# Altium PCB PCB2.PcbDoc (part 1 of 4) (continued)
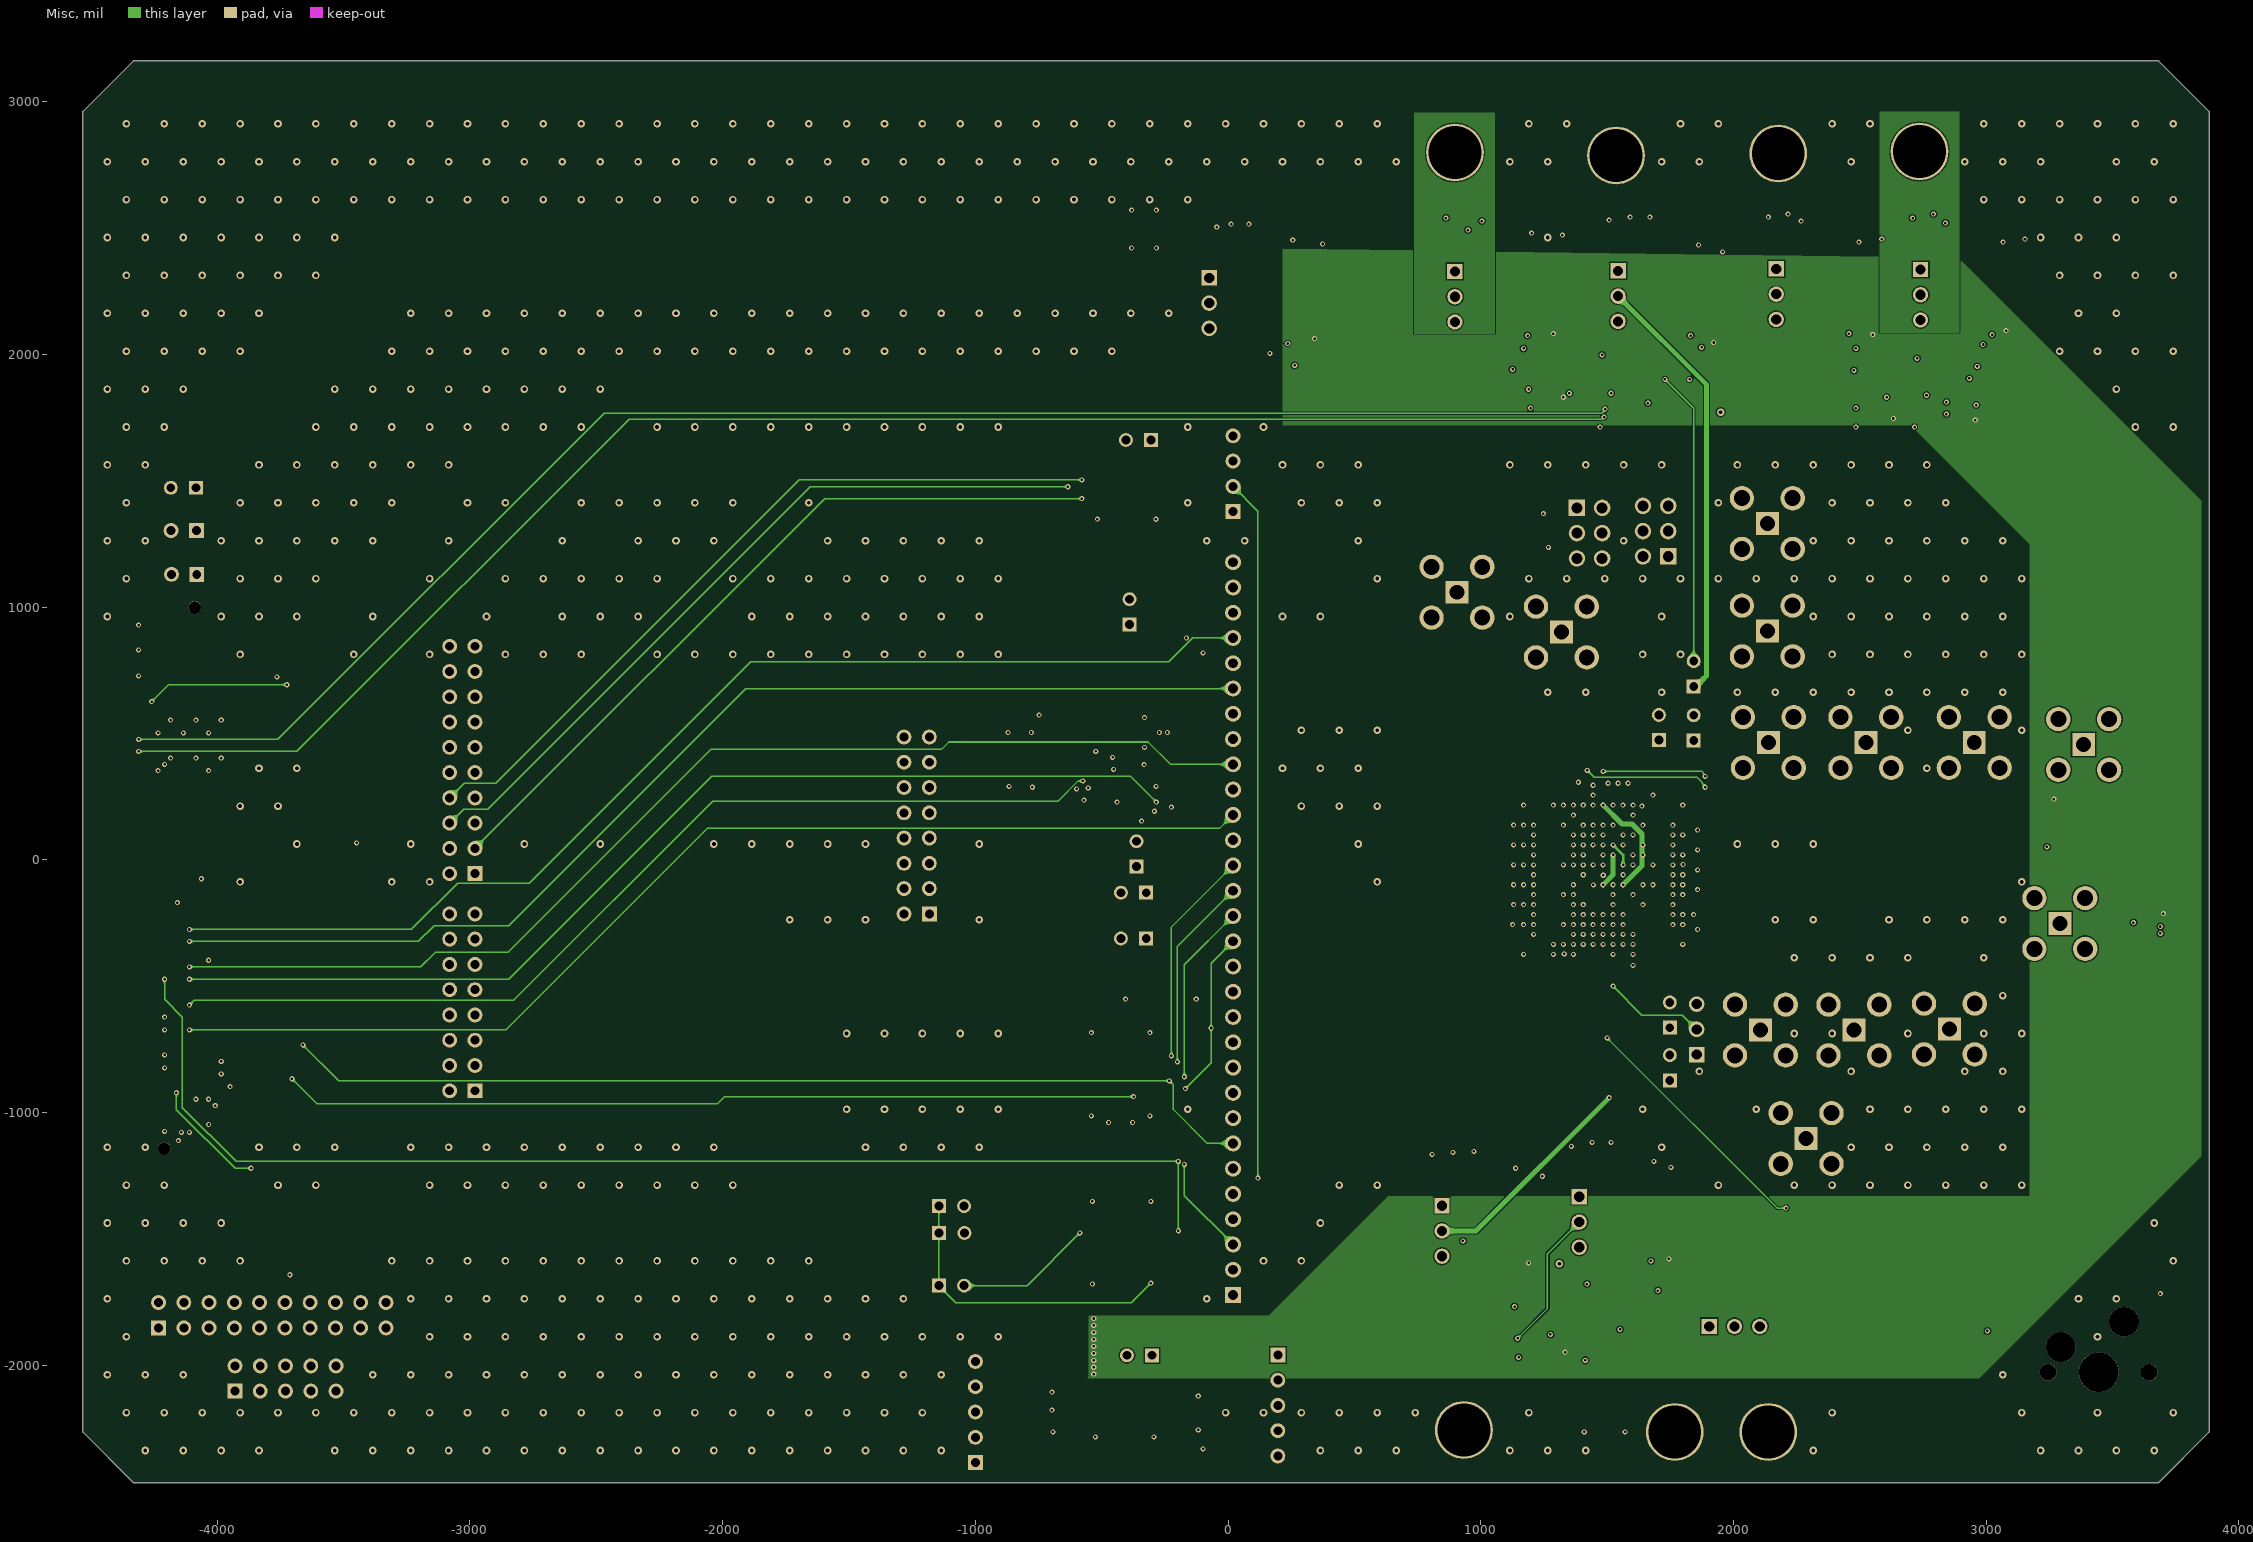
[diagram p3: Misc]
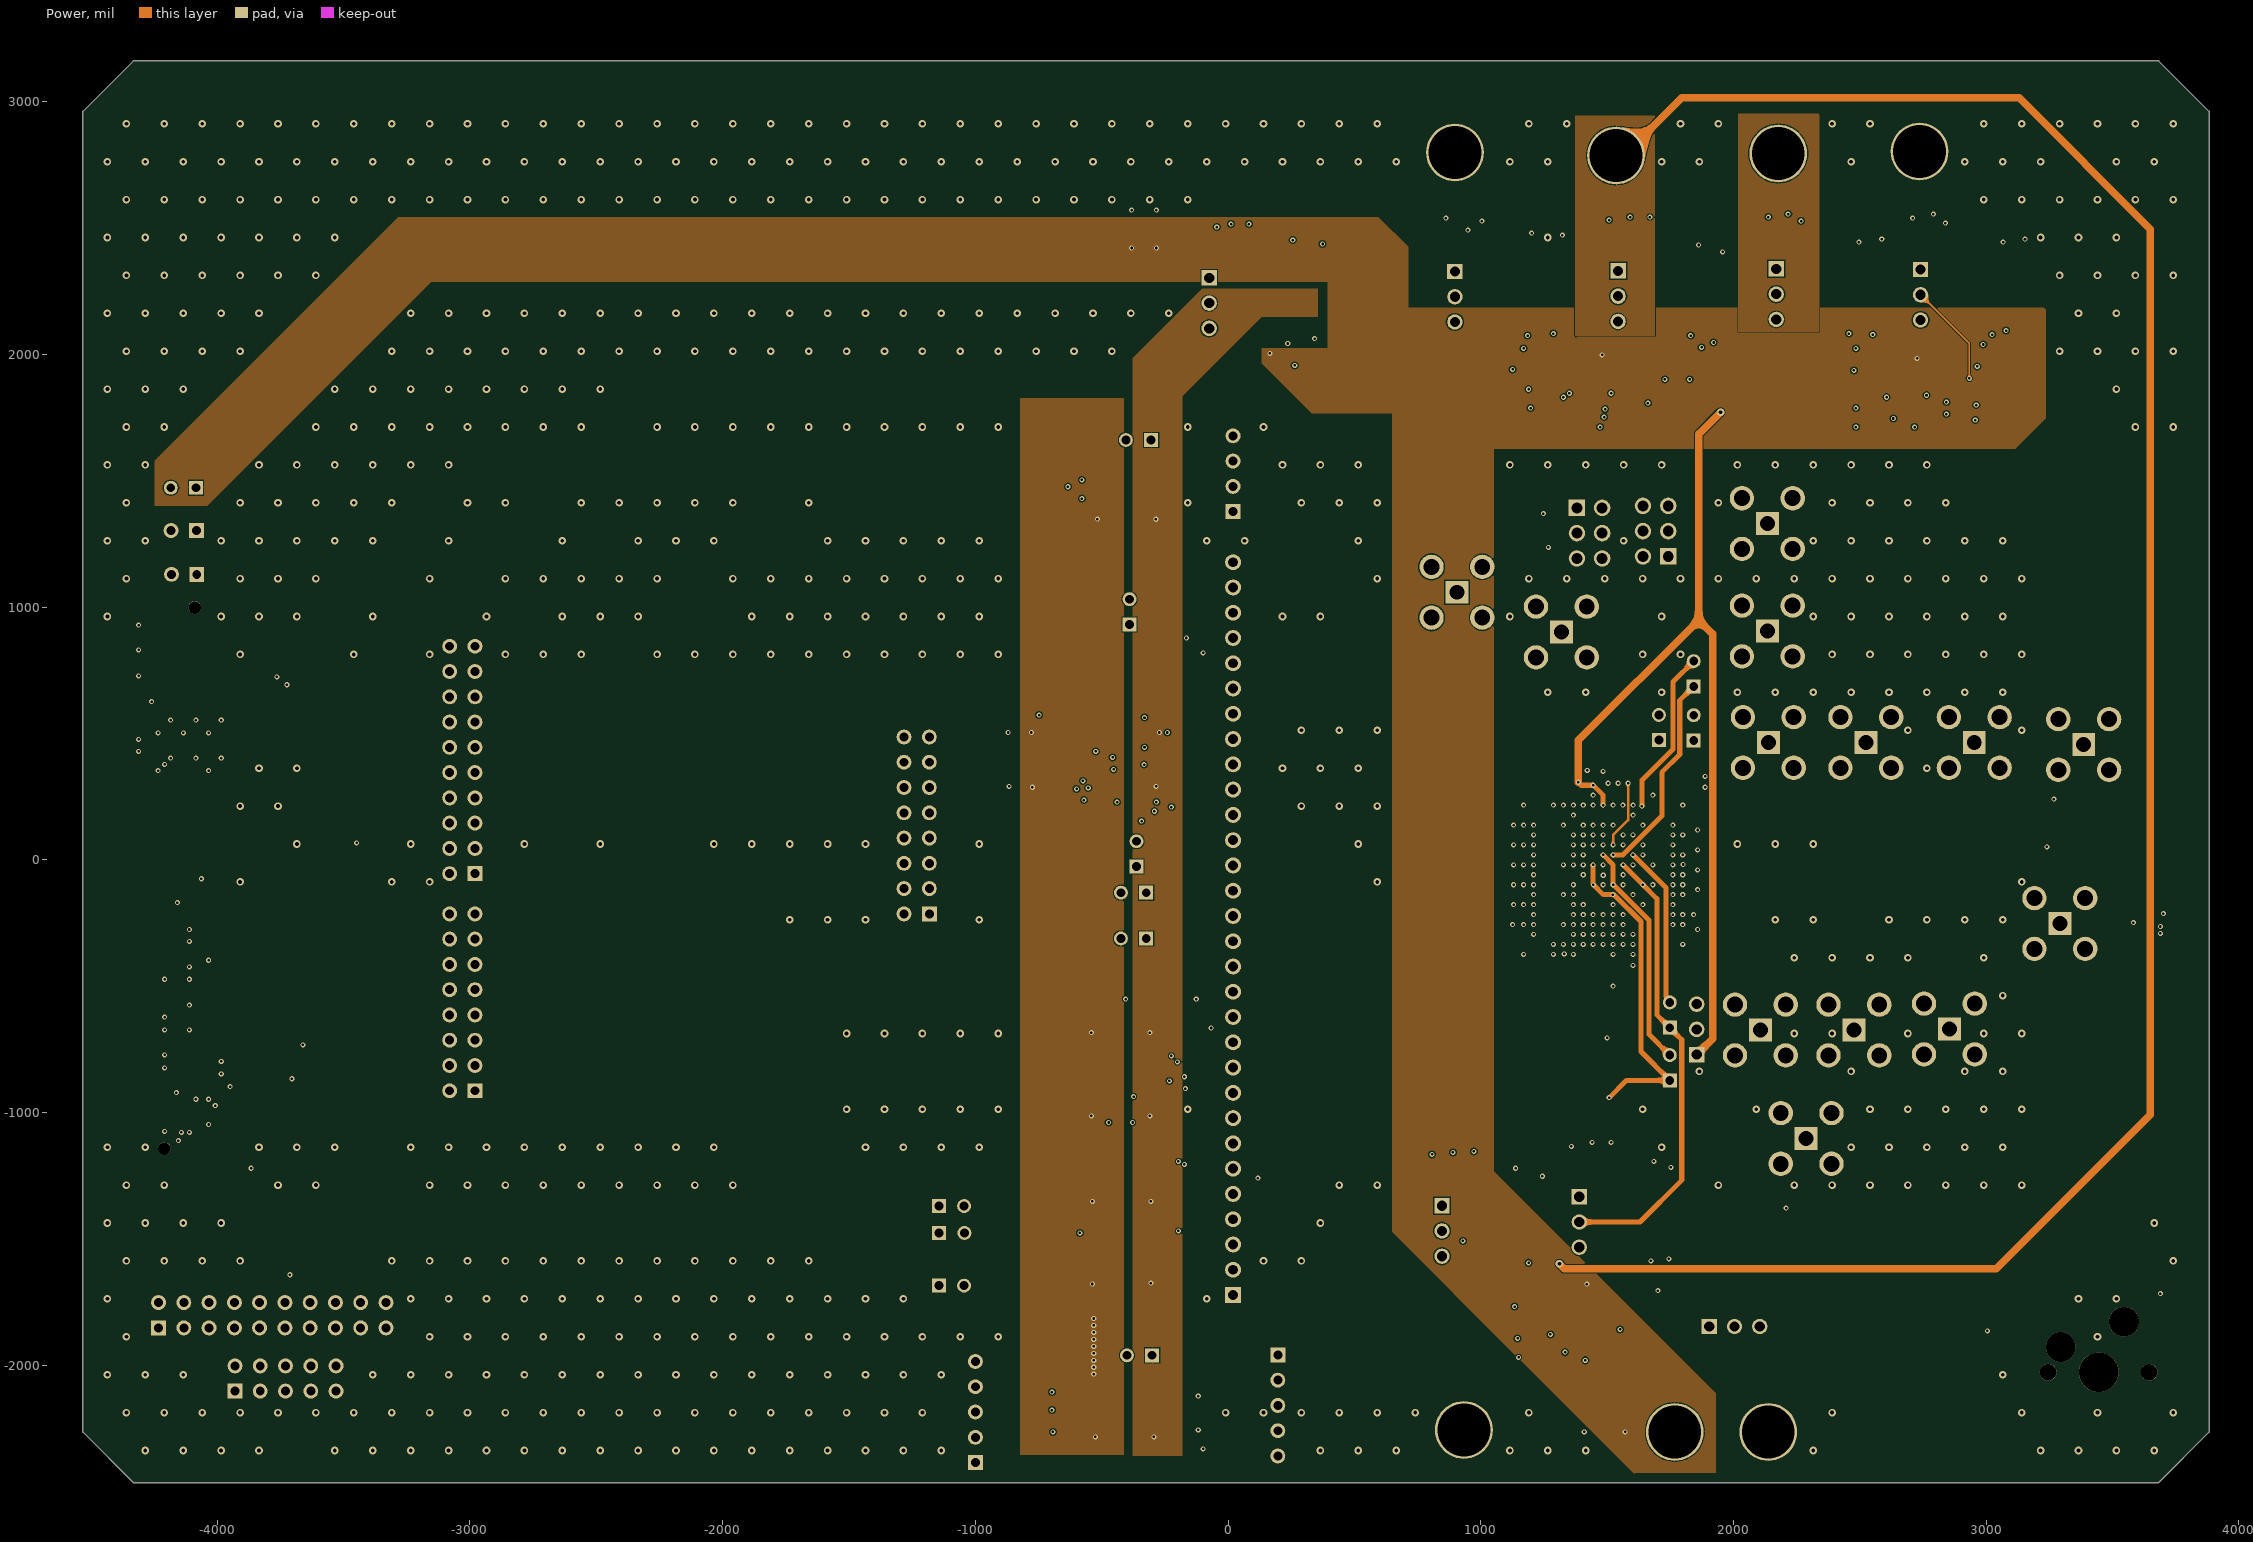
[diagram p4: Power]
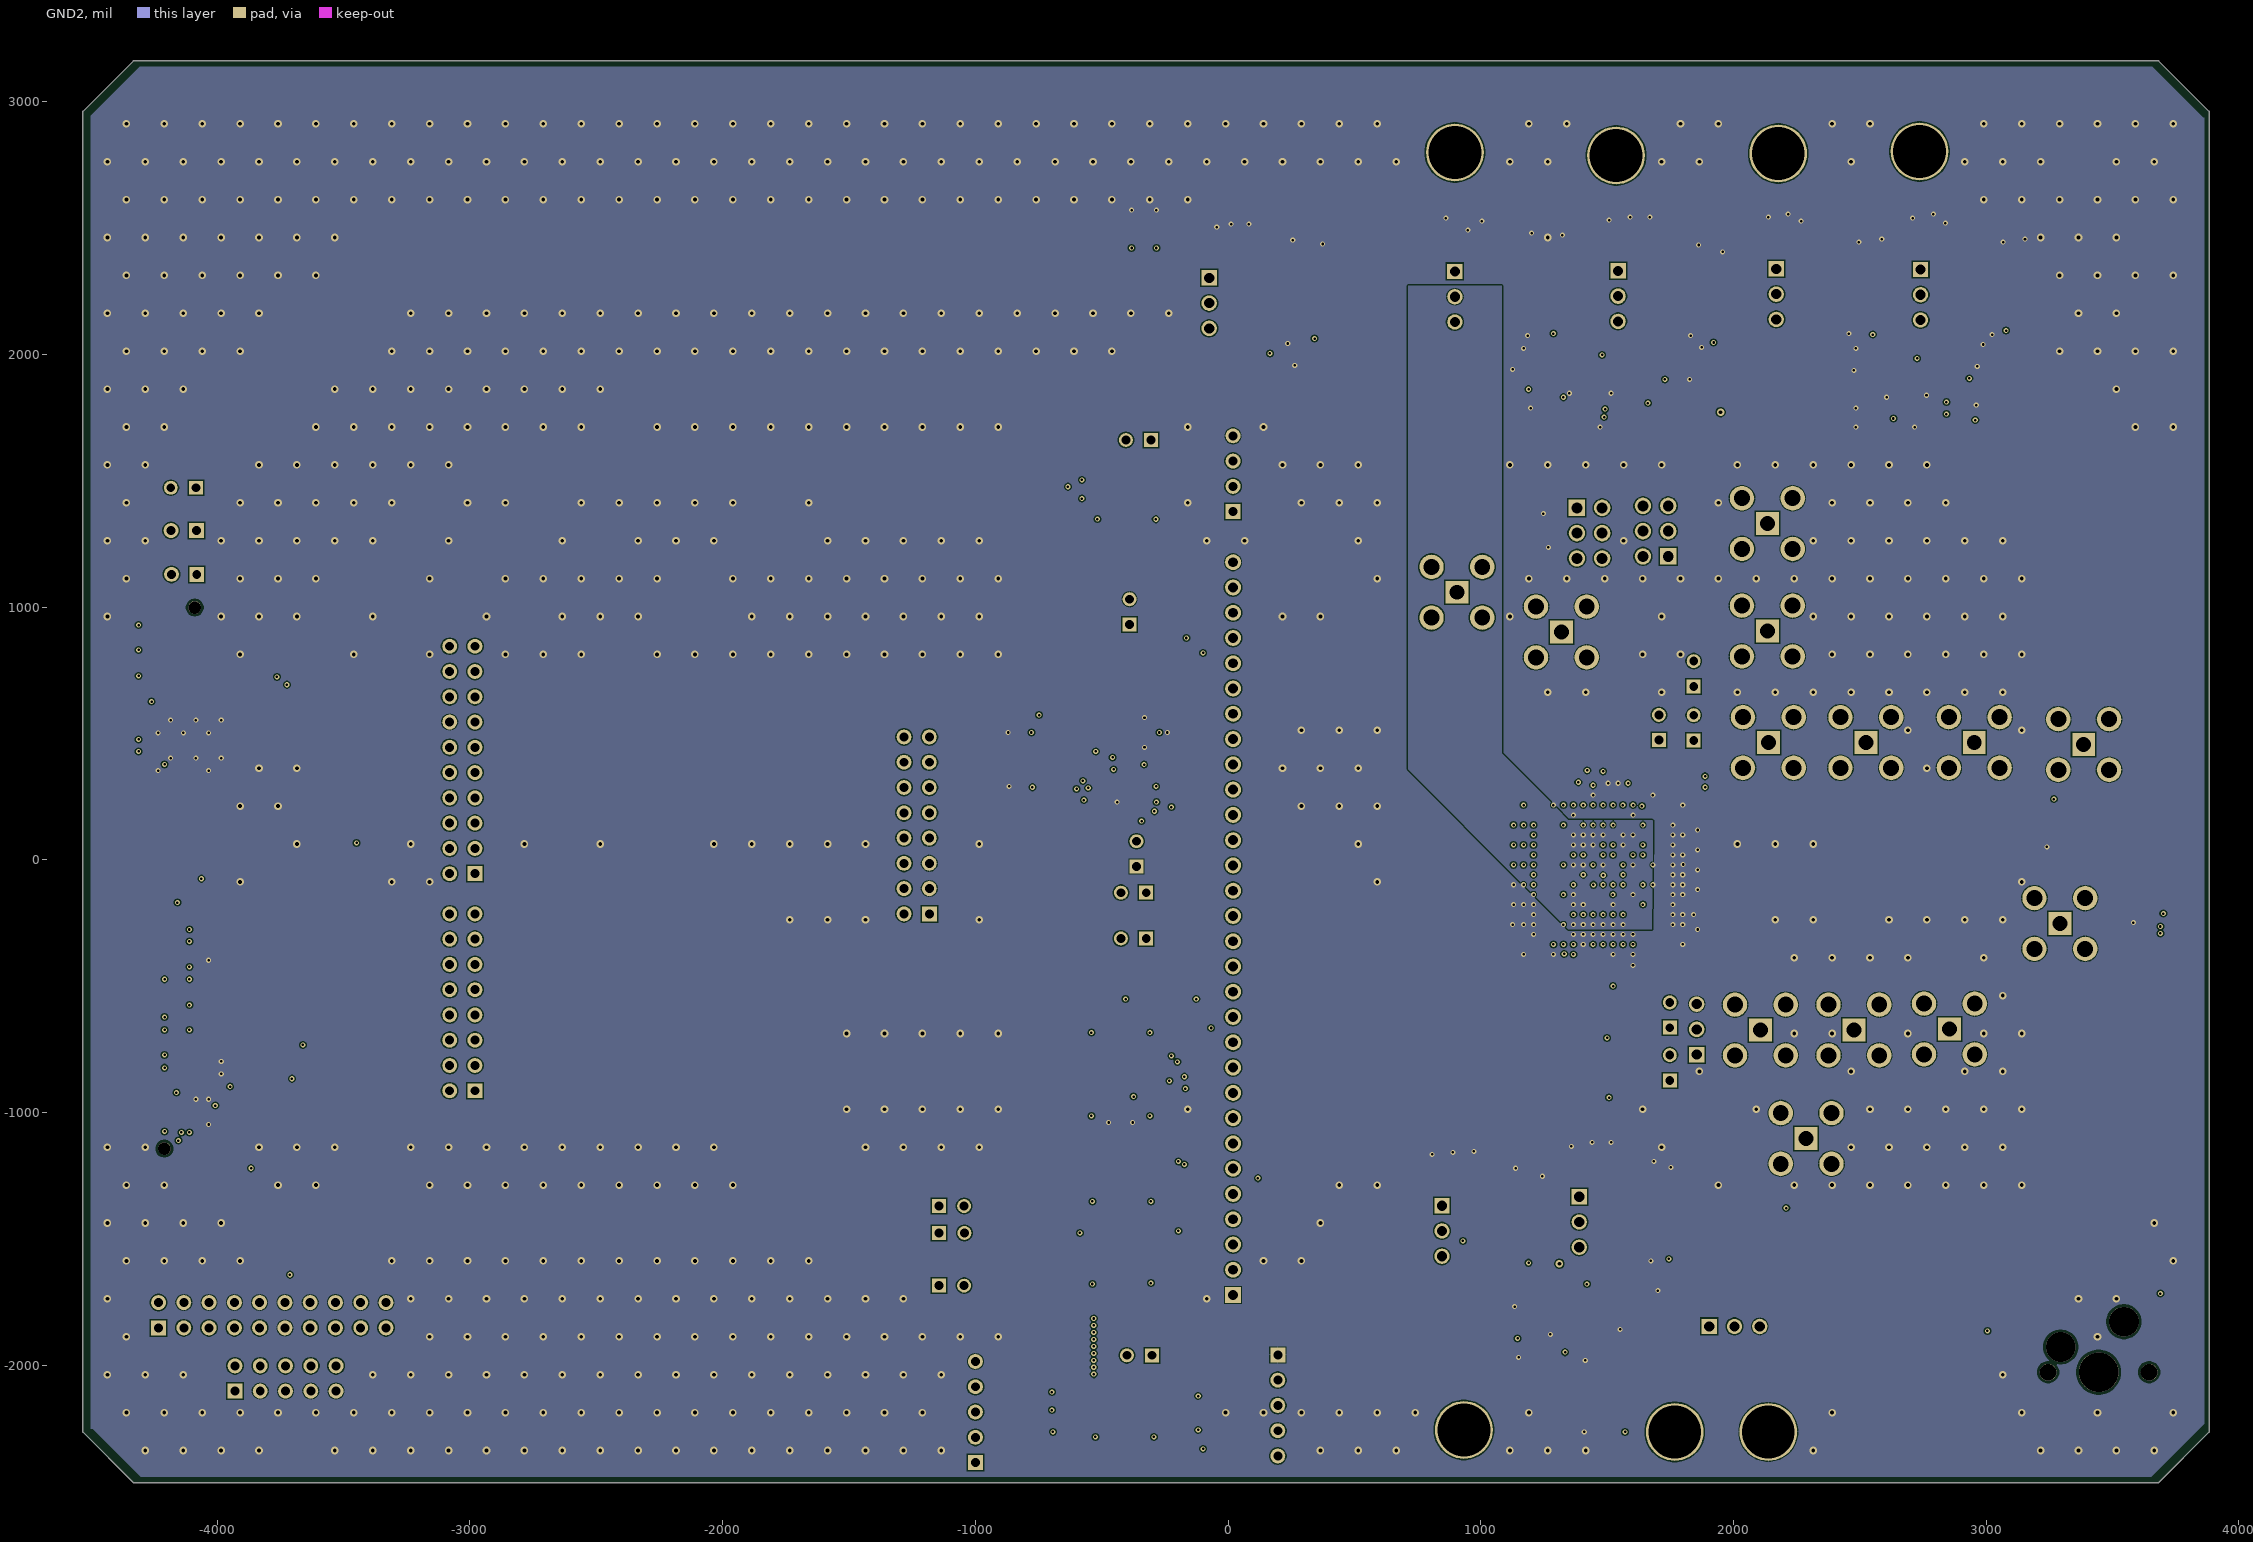
[diagram p5: GND2]

## Layer stack, top to bottom
Top Solder: solder mask 0.4, Solder Resist, Dk 3.5
Top Layer: signal copper 1.378
Dielectric 2: prepreg 3.913, PP-015, Dk 4.3
GND1: signal copper 0.689
Dielectric 4: core 21.654, Core-032, Dk 4.7
Misc: signal copper 0.689
Dielectric 1: prepreg 4.284, PP-016, Dk 4.4
Power: signal copper 0.689
Dielectric 5: core 21.654, Core-032, Dk 4.7
GND2: signal copper 0.689
Dielectric 3: prepreg 3.913, PP-015, Dk 4.3
Bottom Layer: signal copper 1.378
Bottom Solder: solder mask 0.4, Solder Resist, Dk 3.5

## Board outline
-4531.5,-2264.57 -4531.5,2961.42 -4331.5,3161.42 3681.89,3161.42 3881.89,2961.42 3881.89,-2264.57 3681.89,-2464.57 -4331.5,-2464.57

## Design rules (kind name [scope] priority, off if disabled: settings)
BoardOutlineClearance [All] p1: gap=7.87 ignorepadtopadclearanceinfootprint=FALSE
Clearance [All] p1: gap=5 ignorepadtopadclearanceinfootprint=FALSE except(3.5: Arc-Text Track-Text SMDPad-Text THPad-Text Fill-Text Poly-Text Region-Text Text-Text; 9.84: Arc-Hole Track-Hole SMDPad-Hole THPad-Hole Via-Hole Fill-Hole Poly-Hole Region-Hole Text-Hole)
ComponentClearance [All] p1: gap=3.5 collisioncheckmode=3 verticalgap=3.5 showdistances=TRUE
DiffPairsRouting [All] p1: maxlimit=3.5 minlimit=3.5 mostfreqgap=3.5 toplayer_minwidth=3.5 toplayer_maxwidth=71497.94 toplayer_prefwidth=3.5 midlayer1_minwidth=3.5 midlayer1_maxwidth=71497.94 midlayer1_prefwidth=3.5 midlayer2_minwidth=3.5 midlayer2_maxwidth=71497.94 midlayer2_prefwidth=3.5 midlayer3_minwidth=3.5 midlayer3_maxwidth=71497.94 midlayer3_prefwidth=3.5 midlayer4_minwidth=3.5 midlayer4_maxwidth=71497.94 midlayer4_prefwidth=3.5 bottomlayer_minwidth=3.5 bottomlayer_maxwidth=71497.94 bottomlayer_prefwidth=3.5 maxuncoupledlength=500
Height [All] p1: minheight=0 maxheight=71497.94 prefheight=500
HoleSize [All] p1: absolutevalues=TRUE maxlimit=248.03 minlimit=7.87 maxpercent=80.000 minpercent=20.000
HoleToHoleClearance [All] p1: gap=9.84 allowstackedmicrovias=FALSE
MinimumAnnularRing [All] p1: minimumring=3
MinimumSolderMaskSliver [All] p1: minsoldermaskwidth=0
PlaneClearance [All] p1: clearance=3.5
PlaneConnect PlaneConnectPowerPads [InPadClass('PowerPads')] p1: planeconnectstyle=Direct reliefexpansion=20 reliefentries=4 reliefconductorwidth=10 reliefairgap=10
PlaneConnect [All] p2: pad.planeconnectstyle=Relief pad.reliefexpansion=11.81 pad.reliefentries=4 pad.reliefconductorwidth=3.5 pad.reliefairgap=3.5 via.planeconnectstyle=Direct via.reliefexpansion=11.81 via.reliefentries=4 via.reliefconductorwidth=5 via.reliefairgap=5
PolygonConnect PolygonConnectPowerPads [All vs (InPadClass('PowerPads'))] p1: connectstyle=Direct reliefconductorwidth=10 reliefentries=4 polygonreliefangle="90 Angle" airgapwidth=10
PolygonConnect [All] p2: thpad.connectstyle=Relief thpad.reliefconductorwidth=3.5 thpad.reliefentries=4 thpad.polygonreliefangle="90 Angle" thpad.airgapwidth=3.5 smdpad.connectstyle=Relief smdpad.reliefconductorwidth=3.5 smdpad.reliefentries=4 smdpad.polygonreliefangle="90 Angle" smdpad.airgapwidth=3.5 via.connectstyle=Direct via.reliefconductorwidth=5 via.reliefentries=4 via.polygonreliefangle="90 Angle" via.airgapwidth=5
RoutingVias [All] p1: holewidth=10 width=20 viastyle="Through Hole" minholewidth=7.87 minwidth=17.72 maxholewidth=248.03 maxwidth=257.87
SilkToSilkClearance [All] p1: silktosilkclearance=0
SilkToSolderMaskClearance [IsPad] p1: minsilkscreentomaskgap=3.5 clearancetoexposedcopper=TRUE
SolderMaskExpansion [All] p1: expansion=2.95 istentingtop=FALSE
Width [InNet('MUXED_ANALOG_IN_N')    OR                InNet('MUXED_ANALOG_IN_P')    OR InNet('MUXED_ANALOG_OUT_N')   OR InNet('MUXED_ANALOG_OUT_P')   OR InNet('MUXED_CLK_OUT')        OR  InNet('RF_TX_DUT')            OR InNet('RF_RX_DUT')            OR InNet('clock_bypass_0')       OR InNet('clock_bypass_1')] p1: maxlimit=5.63 minlimit=4.04 preferedwidth=4.22 toplayer_minwidth=5.63 toplayer_prefwidth=5.63 midlayer1_maxwidth=4.04 midlayer1_prefwidth=4.04 midlayer2_minwidth=4.22 midlayer2_maxwidth=4.22 midlayer3_minwidth=4.22 midlayer3_maxwidth=4.22 midlayer4_maxwidth=4.04 midlayer4_prefwidth=4.04 bottomlayer_minwidth=5.63 bottomlayer_prefwidth=5.63 impedanceprofiledriven=TRUE impedanceprofileid={00CD8F49-DDCC-4A41-BDE0-2011B90D15A1} impedanceprofilevalue=50.000000 minimp=50.000000 maximp=50.000000 favimp=50.000000
Width Width_1 [All] p2: maxlimit=30 minlimit=5 preferedwidth=6
20 further rules are at their usual default settings.

## Classes and differential pairs
component class "RF Stuff": *1 C76 C80 C81 C82 J8 J9 J10 J11 J12 J13 L1 L2 L3 R56 R57 R58 R59 R60 R61 R62 R63 R64 R65 R66 R67 R68 U12
component class "Power Supply": C1 C2 C3 C4 C5 C6 C14 C16 C17 C18 C19 C21 C23 C24 C25 C26 C28 C30 C31 C32 C33 C35 C39 C40 C42 C46 C47 C51 C53 C55 C59 C60 C64 C65 D1 D2 D3 D4 D5 D6 D7 J1 J2 J3 J4 J5 J6 J7 P1 P2 P3 P4 P5 P6 P7 P8 P9 P10 P11 P12 Q1 Q2 Q3 Q4 Q5 Q6 Q7 R1 R2 R3 R4 R5 R6 R7 R8 R9 R10 R11 R12 R13 R14 R15 R16 R17 R18 R19 R20 R21 R22 R23 R24 R25 R26 R27 R28 R29 R30 R31 R32 R33 R34 R35 R36 R37 R38 R39 R40 R41 R42 R43 R44 R45 R46 R47 U1 U2 U3 U4 U5 U6 U7 U8 U9 U10
component class "IO Sheet": C60 C64 C65 C66 C71 C76 C80 C81 IC1 IC2 IC3 IC4 IC5 IC6 P13 P14 P15 P16 P17 P18 P19 P20 P21 P22 P23 P24 P25 P26 P27 P28 R48 R49 R50 R51 R52 R53 R54 R55 U11
component class Chip: *2 C81 C82 H1 H2 J14 J15 J16 J17 J18 J19 J20 J21 P29 P30 P31 P32 P33 P34 P35 R69 R70 R71 R72 R73 R74 R75 R76 R77 R78 R79 R80 R81 R82 R83 R84 U13 Y1

## Components (designator, comment, footprint, x,y, rotation, side; value= is the part's Value field where it differs from the comment)
*1 "HSWA2-63DR+" HSWA2-63DR+-Footprint-1 3582.68,-251.97 r270 top
*2 "Cherry_Hotswap_LED" "New footprint 1" 3444.88,-2027.56 r0 top
C1 "Cap" 0603 2539.37,1712.6 r180 top value=0.1uF
C2 "Cap" 0603 2661.42,1712.6 r180 top value=0.1uF
C3 "Cap" 0805 2417.32,2023.62 r180 top value=10uF
C4 "Cap" 0603 2421.26,1937.01 r180 top value=0.1uF
C5 "Cap" 0805 2216.54,2488.19 r270 top value=10uF
C6 "Cap" 0603 2137.8,2488.19 r270 top value=0.1uF
C7 "Cap" 0805 1488.19,-2263.78 r0 top value=100uF
C8 "Cap" 0805 -381.89,2492.13 r270 top value=100uF
C9 "Cap" 0805 -283.46,2492.13 r270 top value=100uF
C10 "Cap" 0603 2440.94,2444.88 r180 top value=1nF
C11 "Cap" 0603 1251.97,1787.4 r180 top value=0.1uF
C12 "Cap" 0603 1421.26,1712.6 r180 top value=0.1uF
C13 "Capacitor 100nF +/-20% 10V 0402" CAPC0402(1005)60_L 1669.29,19.69 r0 bottom value=100nF
C14 "Capacitor 1µF +/-20% 10V 0402" CAPC0402(1005)60_L 1669.29,98.43 r0 bottom value=1µF
C15 "Capacitor 10µF +/-40% 6.3V 0402" CAPC0402(1005)60_L 1669.29,59.06 r0 bottom value=10µF
C16 "Cap" 0805 2917.32,2039.37 r180 top value=10uF
C17 "Cap" 0603 2913.39,1952.76 r180 top value=0.1uF
C18 "Cap" 0805 2791.34,2484.25 r270 top value=10uF
C19 "Cap" 0603 2708.66,2484.25 r270 top value=0.1uF
C20 "Cap" 0603 3011.81,2444.88 r180 top value=1nF
C21 "Cap" 0603 1204.72,-1968.5 r180 top value=0.1uF
C22 "Cap" 0603 1362.2,-1980.31 r180 top value=0.1uF
C23 "Capacitor 100nF +/-20% 10V 0402" CAPC0402(1005)60_L 1346.46,-141.73 r180 bottom value=100nF
C24 "Capacitor 1µF +/-20% 10V 0402" CAPC0402(1005)60_L 1346.46,-19.68 r180 bottom value=1µF
C25 "Capacitor 10µF +/-40% 6.3V 0402" CAPC0402(1005)60_L 1346.46,137.8 r180 bottom value=10µF
C26 "Cap" 0805 1122.05,1940.94 r180 top value=10uF
C27 "Cap" 0603 1118.11,2023.62 r180 top value=0.1uF
C28 "Cap" 0805 948.82,2488.19 r270 top value=10uF
C29 "Cap" 0603 862.2,2488.19 r270 top value=0.1uF
C30 "Cap" 0603 1173.23,2448.82 r180 top value=1nF
C31 "Capacitor 100nF +/-20% 10V 0402" CAPC0402(1005)60_L 1484.25,-169.29 r270 bottom value=100nF
C32 "Capacitor 1µF +/-20% 10V 0402" CAPC0402(1005)60_L 1417.32,-106.3 r180 bottom value=1µF
C33 "Capacitor 10µF +/-40% 6.3V 0402" CAPC0402(1005)60_L 1444.88,-55.12 r270 bottom value=10µF
C34 "Cap" 0805 1106.3,-1653.54 r180 top value=10uF
C35 "Cap" 0603 1106.3,-1732.28 r180 top value=0.1uF
C36 "Cap" 0805 889.76,-1224.41 r270 top value=10uF
C37 "Cap" 0603 807.09,-1224.41 r270 top value=0.1uF
C38 "Cap" 0603 1110.24,-1255.91 r180 top value=1nF
C39 "Capacitor 100nF +/-20% 10V 0402" CAPC0402(1005)60_L 1452.76,-133.86 r225 bottom value=100nF
C40 "Capacitor 1µF +/-20% 10V 0402" CAPC0402(1005)60_L 1484.25,-78.74 r90 bottom value=1µF
C41 "Capacitor 10µF +/-40% 6.3V 0402" CAPC0402(1005)60_L 1559.06,19.69 r0 bottom value=10µF
C42 "Cap" 0805 1803.15,2027.56 r180 top value=10uF
C43 "Cap" 0603 1799.21,1944.88 r180 top value=0.1uF
C44 "Cap" 0805 1590.55,2472.44 r270 top value=10uF
C45 "Cap" 0603 1507.87,2480.32 r270 top value=0.1uF
C46 "Cap" 0603 1807.09,2433.07 r180 top value=1nF
C47 "Capacitor 100nF +/-20% 10V 0402" CAPC0402(1005)60_L 1503.94,70.87 r180 bottom value=100nF
C48 "Capacitor 1µF +/-20% 10V 0402" CAPC0402(1005)60_L 1547.24,-39.37 r270 bottom value=1µF
C49 "Capacitor 10µF +/-40% 6.3V 0402" CAPC0402(1005)60_L 1641.73,-133.86 r270 bottom value=10µF
C50 "Cap" 0805 1645.67,-1625.98 r180 top value=10uF
C51 "Cap" 0603 1645.67,-1704.72 r180 top value=0.1uF
C52 "Cap" 0805 1440.94,-1188.98 r270 top value=10uF
C53 "Cap" 0603 1358.27,-1188.98 r270 top value=0.1uF
C54 "Cap" 0603 1657.48,-1224.41 r180 top value=1nF
C55 "Cap" 0805 224.41,2000 r180 top value=10uF
C56 "Cap" 0603 228.35,1917.32 r180 top value=0.1uF
C57 "Cap" 0805 11.81,2444.88 r270 top value=10uF
C58 "Cap" 0603 -70.87,2446.06 r270 top value=0.1uF
C59 "Cap" 0603 228.35,2405.51 r180 top value=1nF
C60 "Cap" 0603 -255.91,287.4 r180 top value=0.1uF
C61 "Cap" 0603 -242.91,503.94 r0 top value=0.1uF
C62 "Cap" 0603 -803.15,287.4 r0 top value=0.1uF
C63 "Cap" 0603 -807.09,503.94 r180 top value=0.1uF
C64 "Cap" 0603 -530.31,-700.79 r180 top value=0.1uF
C65 "Cap" 0603 -318.9,-700.79 r180 top value=0.1uF
C66 "Cap" 0603 -527.56,-1377.95 r180 top value=0.1uF
C67 "Cap" 0603 -314.96,-1377.95 r180 top value=0.1uF
C68 "Cap" 0603 -507.87,1322.83 r180 top value=0.1uF
C69 "Cap" 0603 -295.28,1322.83 r180 top value=0.1uF
C70 "Cap" 0603 -527.56,-1704.72 r180 top value=0.1uF
C71 "Cap" 0603 -314.96,-1700.79 r180 top value=0.1uF
C72 "Cap" 0603 -307.09,-2322.83 r0 top value=0.1uF
C73 "Cap" 0603 -515.75,-2322.83 r180 top value=0.1uF
C74 "Cap" 0603 -318.9,-1039.37 r180 top value=0.1uF
C75 "Cap" 0603 -531.5,-1039.37 r180 top value=0.1uF
C76 "0.1uF" CAPC1005X56X25LL10T15 3795.28,-196.85 r90 top value=100nF